# KiCad board shek-rounded.kicad_pcb (continued)
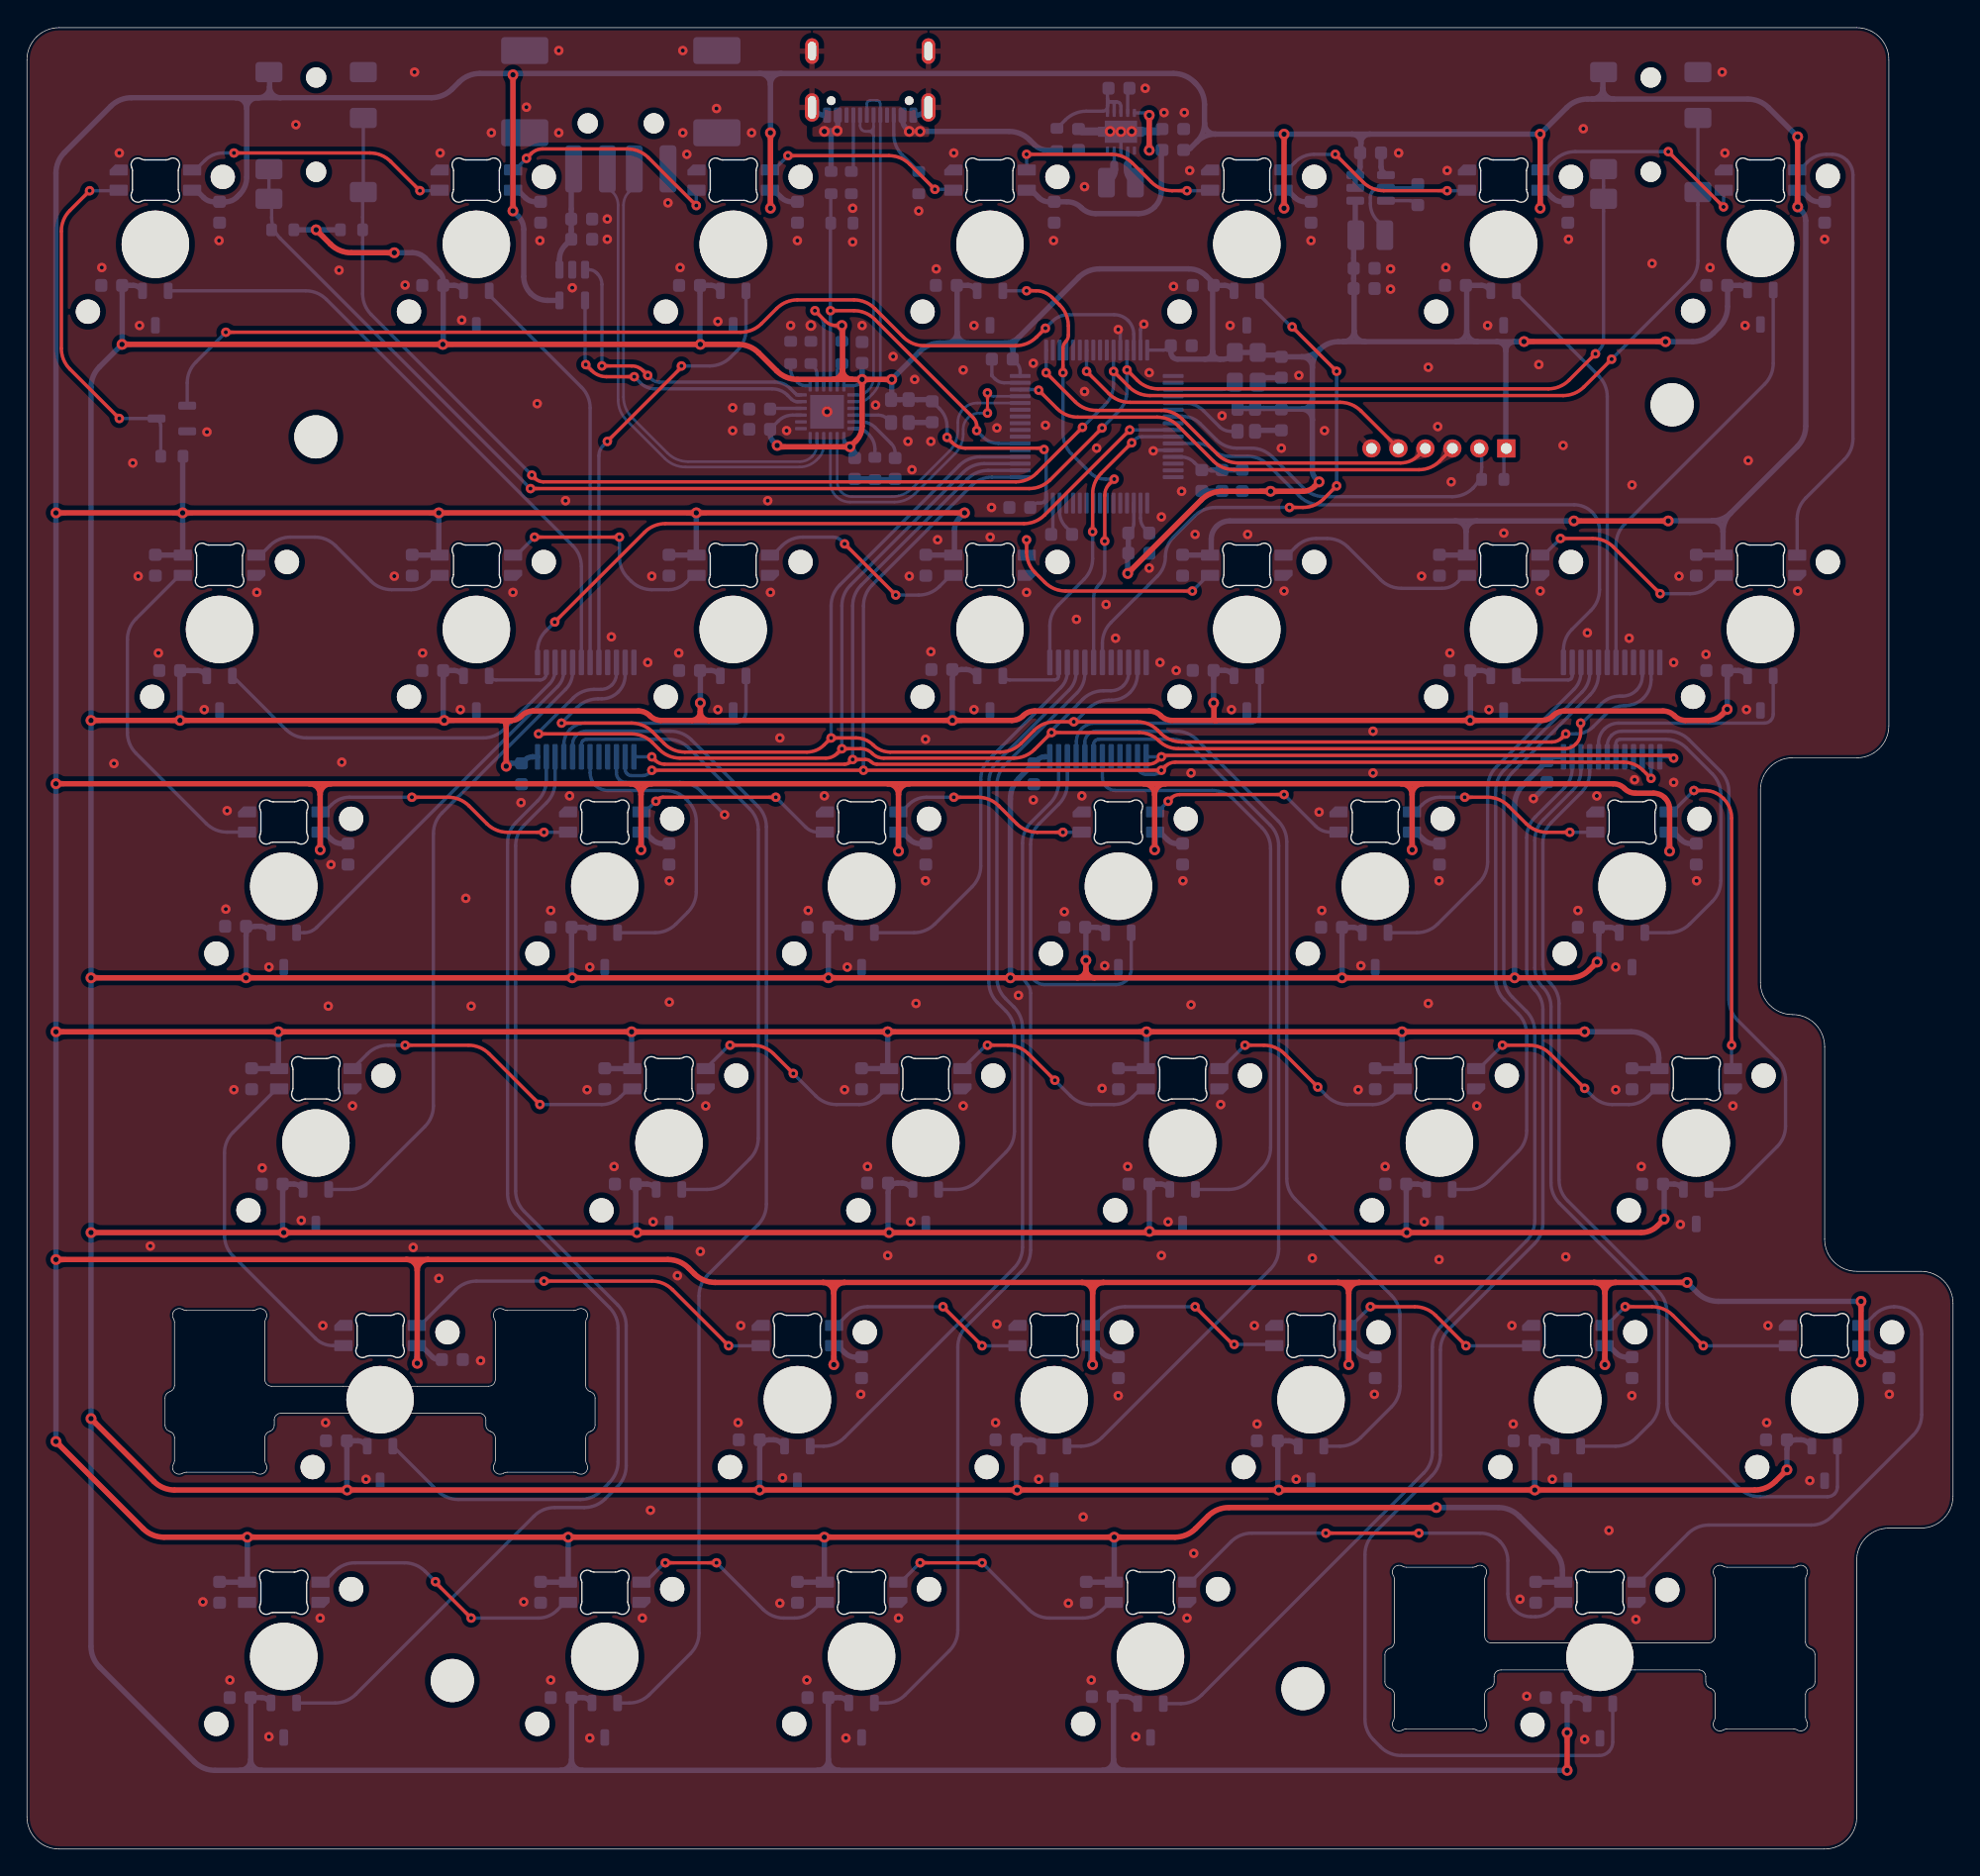
[diagram p0: board, top side]
## Routing (per net, layer and track width the routed paths; a pad name or vN(x,y) marks a point on that pad's centre or on a via; arc(x,y) is an arc through that point) (continued)
OSC32: length 4.8
  Bottom w0.25: U5.3 88.66,108.29 arc(89.02,108.36) 89.32,108.56 Y3.3
PH0: length 5.5
  Bottom w0.25: Y2.3 89.3,105.19 arc(88.84,105.28) 88.45,105.54 87.28,106.7 arc(86.64,107.14) 85.88,107.29 85.07,107.29 arc(85.05,107.28) 85.04,107.28 85.02,107.26
SCL: length 132.4
  Top w0.25: v1(37.35,100.94) 74.35,100.94 arc(75.18,101.1) 75.89,101.58 v1(79.75,105.44) ; v1(116.35,110.94) 114.39,108.98 arc(113.68,108.5) 112.85,108.34 83.9,108.34 arc(83.07,108.5) 82.36,108.98 v1(81.6,109.74)
  Bottom w0.25: v1(79.75,105.44) 80.96,106.65 arc(81.43,107.36) 81.6,108.19 v1(81.6,109.74) 81.6,111.17 arc(81.6,111.19) 81.61,111.2 81.62,111.21 ; v1(37.35,100.94) 18.79,119.5 arc(18.32,120.21) 18.15,121.04 18.15,122.1 arc(18.12,122.23) 18.05,122.34 arc(17.98,122.45) 17.95,122.58 J3.4 ; v1(116.35,110.94) 116.65,111.24 arc(116.87,111.57) 116.95,111.96 J5.4
SDA: length 139.9
  Top w0.25: v1(78.3,105.49) 74.89,102.08 arc(74.18,101.6) 73.35,101.44 38.3,101.44 arc(37.98,101.5) 37.7,101.69 v1(37.45,101.94) ; v1(117.55,110.54) 115.49,108.48 arc(114.78,108) 113.95,107.84 83.3,107.84 arc(82.47,108) 81.76,108.48 v1(80.6,109.64)
  Bottom w0.25: v1(117.55,110.54) 123.31,116.3 arc(123.78,117.01) 123.95,117.84 J5.3 ; 80.62,111.21 80.61,111.2 arc(80.6,111.19) 80.6,111.17 v1(80.6,109.64) 80.6,108.69 arc(80.43,107.86) 79.96,107.15 v1(78.3,105.49) ; v1(37.45,101.94) 25.54,113.85 arc(25.07,114.56) 24.9,115.39 24.9,122.85 arc(24.91,122.88) 24.93,122.91 arc(24.94,122.94) 24.95,122.97 J3.3
SWCLK: length 32.7
  Top w0.25: J4.4 103.19,103.38 arc(102.6,102.98) 101.89,102.84 89.85,102.84 arc(89.02,103) 88.31,103.48 85.69,106.1 arc(84.98,106.57) 84.15,106.74 79.3,106.74 arc(78.47,106.9) 77.76,107.38 v1(75.6,109.54)
  Bottom w0.25: 75.62,111.21 75.61,111.2 arc(75.6,111.19) 75.6,111.17 v1(75.6,109.54)
SWDIO: length 34.8
  Top w0.25: v1(75.05,108.24) 76.41,106.88 arc(77.12,106.4) 77.95,106.24 83.85,106.24 arc(84.68,106.07) 85.39,105.6 88.01,102.98 arc(88.72,102.5) 89.55,102.34 103.25,102.34 arc(104.09,102.5) 104.79,102.98 J4.3
  Bottom w0.25: v1(75.05,108.24) 75.02,108.26 arc(75,108.28) 74.96,108.29 73.72,108.29 arc(73.7,108.28) 73.69,108.28 73.68,108.26
SWO: length 26.9
  Top w0.25: J4.5 98.95,106.7 arc(98.25,107.17) 97.41,107.34 81.8,107.34 arc(80.97,107.5) 80.26,107.98 v1(78.6,109.64)
  Bottom w0.25: v1(78.6,109.64) 78.6,111.17 arc(78.6,111.19) 78.61,111.2 78.62,111.21
UP_D+: length 25.4
  Bottom w0.2: J1.A6 62.3,129.48 arc(62.32,129.58) 62.38,129.66 arc(62.46,129.72) 62.56,129.74 63.04,129.74 arc(63.14,129.72) 63.23,129.66 arc(63.28,129.58) 63.3,129.48 63.3,109.35 arc(63.15,108.6) 62.72,107.96 62.45,107.69 arc(62.12,107.47) 61.72,107.39 U1.20
UP_D-: length 24.6
  Bottom w0.2: 62.8,127.06 62.8,109.17 arc(62.7,108.68) 62.42,108.26 62.32,108.16 arc(62.02,107.96) 61.67,107.89 U1.19 ; 62.8,127.06 62.8,127.81 ; 62.8,127.06 arc(62.69,127.33) 62.43,127.44 ; 62.43,127.44 62.23,127.44 arc(62.06,127.47) 61.93,127.56 arc(61.83,127.7) 61.8,127.86 J1.B7 ; 62.43,127.44 arc(62.69,127.55) 62.8,127.81 ; 62.8,127.81 J1.A7
XTALIN: length 3
  Bottom w0.25: Y1.3 63.82,106.11 arc(63.52,106.32) 63.16,106.39 U1.22
Net-(J1-CC1_A): length 4.2
  Bottom w0.25: J1.A5 61.3,124.72 arc(61.28,124.62) 61.23,124.54 R3.1
Net-(J1-CC1_B): length 4.9
  Bottom w0.25: J1.B5 64.3,127.21 arc(64.47,126.38) 64.94,125.67 R4.1
Net-(LED1-DOUT): length 19.9
  Top w0.25: v1(15.35,125.84) 25.45,125.84 arc(26.28,125.67) 26.99,125.2 v1(29.15,123.04)
  Bottom w0.25: v1(15.35,125.84) 14.55,125.84 arc(13.81,125.69) 13.18,125.27 12.57,124.66 arc(12.48,124.6) 12.37,124.58 LED6.2 ; LED5.3 30.59,123.06 arc(30.57,123.04) 30.55,123.04 v1(29.15,123.04)
Net-(LED2-DOUT): length 17
  Top w0.25: v1(49.65,121.94) 46.09,125.5 arc(45.38,125.97) 44.55,126.14 38.24,126.14 arc(37.79,126.05) 37.4,125.79 v1(37.05,125.44)
  Bottom w0.25: v1(49.65,121.94) 49.65,123.05 arc(49.65,123.06) 49.66,123.07 LED4.3 ; LED5.2 36.12,124.58 arc(36.18,124.59) 36.23,124.62 v1(37.05,125.44)
Net-(LED3-DOUT): length 15
  Top w0.25: v1(67.35,123.14) 65.49,125 arc(64.78,125.47) 63.95,125.64 v1(56.45,125.64)
  Bottom w0.25: v1(67.35,123.14) 68.61,123.14 arc(68.65,123.13) 68.68,123.11 LED3.3 ; LED4.2 55.25,124.58 arc(55.38,124.6) 55.48,124.67 v1(56.45,125.64)
Net-(LED4-DOUT): length 15.7
  Top w0.25: v1(74.15,125.74) 80.45,125.74 arc(81.28,125.57) 81.99,125.1 83.41,123.68 arc(84.12,123.2) 84.95,123.04 v1(86.05,123.04)
  Bottom w0.25: v1(74.15,125.74) 74.16,125.73 arc(74.16,125.72) 74.16,125.72 LED3.2 ; v1(86.05,123.04) 87.7,123.04 arc(87.72,123.04) 87.74,123.06 LED2.3
Net-(LED5-DOUT): length 15
  Top w0.25: v1(97.05,125.74) 99.11,123.68 arc(99.82,123.2) 100.65,123.04 v1(105.35,123.04)
  Bottom w0.25: v1(105.35,123.04) 106.75,123.04 arc(106.77,123.04) 106.79,123.06 LED1.3 ; v1(97.05,125.74) 95.47,125.74 arc(94.71,125.59) 94.07,125.16 93.58,124.67 arc(93.48,124.6) 93.35,124.58 LED2.2
Net-(LED6-DOUT): length 17
  Top w0.25: v1(121.75,125.94) v1(125.85,121.84)
  Bottom w0.25: v1(125.85,121.84) 125.85,123.05 arc(125.85,123.06) 125.86,123.07 LED0.3 ; LED1.2 112.43,124.58 arc(112.58,124.6) 112.7,124.69 113.31,125.3 arc(114.02,125.77) 114.85,125.94 v1(121.75,125.94)
Net-(LED7-DOUT): length 35.1
  Bottom w0.25: LED0.2 131.4,124.58 arc(131.48,124.59) 131.55,124.64 132.07,125.16 arc(132.71,125.59) 133.47,125.74 133.91,125.74 arc(134.5,125.62) 135,125.29 arc(135.33,124.79) 135.45,124.2 135.45,104.64 arc(135.28,103.81) 134.81,103.1 131.95,100.24 arc(131.48,99.53) 131.31,98.7 LED7.3
Net-(LED8-DOUT): length 16.2
  Top w0.25: v1(113.75,97.24) 116.15,97.24 arc(116.98,97.07) 117.69,96.6 v1(121.15,93.14)
  Bottom w0.25: LED8.3 112.39,96 arc(112.5,96.02) 112.6,96.09 v1(113.75,97.24) ; v1(121.15,93.14) 123.35,93.14 arc(124.18,93.3) 124.89,93.78 125.52,94.41 arc(125.62,94.48) 125.74,94.5 LED7.2
Net-(LED10-DIN): length 15.7
  Bottom w0.25: LED8.2 106.71,94.5 arc(106.62,94.48) 106.54,94.43 106.13,94.02 arc(105.6,93.66) 104.97,93.54 101.95,93.54 arc(101.12,93.7) 100.41,94.18 97.99,96.6 arc(97.28,97.07) 96.45,97.24 95.63,97.24 arc(94.82,97.08) 94.13,96.62 93.62,96.11 arc(93.5,96.03) 93.36,96 LED9.3
Net-(LED10-DOUT): length 17.7
  Top w0.25: v1(74.15,97.14) 74.15,96.24 arc(74.32,95.41) 74.79,94.7 75.51,93.98 arc(76.22,93.5) 77.05,93.34 v1(86.45,93.34)
  Bottom w0.25: LED9.2 87.69,94.5 arc(87.62,94.49) 87.56,94.45 v1(86.45,93.34) ; v1(74.15,97.14) 74.15,96.02 arc(74.15,96.01) 74.16,96.01 LED10.3
Net-(LED11-DOUT): length 16.3
  Top w0.25: v1(64.45,93.04) v1(60.65,96.84)
  Bottom w0.25: v1(60.65,96.84) 60.4,97.09 arc(60.12,97.27) 59.8,97.34 57.55,97.34 arc(56.72,97.17) 56.01,96.7 55.38,96.07 arc(55.3,96.02) 55.21,96 LED11.3 ; LED10.2 68.61,94.5 arc(68.52,94.48) 68.44,94.43 67.69,93.68 arc(66.98,93.2) 66.15,93.04 v1(64.45,93.04)
Net-(LED12-DOUT): length 17.3
  Top w0.25: v1(37.65,97.34) v1(43.95,97.34)
  Bottom w0.25: LED11.2 49.54,94.5 arc(49.42,94.48) 49.32,94.41 48.88,93.97 arc(48.29,93.58) 47.6,93.44 46.35,93.44 arc(45.52,93.6) 44.81,94.08 44.59,94.3 arc(44.12,95.01) 43.95,95.84 v1(43.95,97.34) ; v1(37.65,97.34) 36.4,96.09 arc(36.3,96.02) 36.19,96 LED12.3
Net-(LED13-DOUT): length 15.8
  Bottom w0.25: LED13.3 17.16,96 arc(17.3,96.03) 17.42,96.11 18.01,96.7 arc(18.72,97.17) 19.55,97.34 21.35,97.34 arc(22.18,97.17) 22.89,96.7 25.51,94.08 arc(26.22,93.6) 27.05,93.44 28.5,93.44 arc(29.19,93.58) 29.78,93.97 30.21,94.39 arc(30.32,94.47) 30.46,94.5 LED12.2
Net-(LED14-DOUT): length 25.7
  Bottom w0.25: LED13.2 11.44,94.5 arc(11.32,94.48) 11.22,94.41 8.09,91.28 arc(7.62,90.57) 7.45,89.74 7.45,82.84 arc(7.62,82.01) 8.09,81.3 13.3,76.09 arc(14.01,75.62) 14.84,75.45 LED19.3
Net-(LED15-DOUT): length 19.6
  Top w0.25: v1(38.35,75.44) 35.65,75.44 arc(34.82,75.6) 34.11,76.08 32.79,77.4 arc(32.08,77.87) 31.25,78.04 v1(28.55,78.04)
  Bottom w0.25: 21.77,76.95 21.92,76.95 arc(22.05,76.98) 22.16,77.05 22.61,77.49 arc(23.21,77.9) 23.92,78.04 v1(28.55,78.04) ; LED18.3 40.13,75.44 arc(40.12,75.44) 40.12,75.44 v1(38.35,75.44)
Net-(LED16-DOUT): length 15
  Top w0.25: v1(55.55,78.04) 47.16,78.04 arc(46.97,78) 46.8,77.89 v1(46.65,77.74)
  Bottom w0.25: LED18.2 45.73,76.95 arc(45.85,76.98) 45.96,77.05 v1(46.65,77.74) ; LED17.3 58.66,75.45 arc(58.18,75.55) 57.77,75.82 v1(55.55,78.04)
Net-(LED17-DOUT): length 14.9
  Top w0.25: v1(68.75,78.04) 70.55,78.04 arc(71.38,77.87) 72.09,77.4 73.41,76.08 arc(74.12,75.6) 74.95,75.44 v1(76.85,75.44)
  Bottom w0.25: LED16.3 78.23,75.44 arc(78.22,75.44) 78.22,75.44 v1(76.85,75.44) ; v1(68.75,78.04) 66.72,78.04 arc(66.01,77.9) 65.41,77.49 64.94,77.03 arc(64.85,76.97) 64.75,76.95 LED17.2
Net-(LED18-DOUT): length 15.2
  Top w0.25: v1(93.25,78.24) 85.5,78.24 arc(85.18,78.17) 84.9,77.99 v1(84.65,77.74)
  Bottom w0.25: v1(93.25,78.24) 95.6,75.89 arc(96.09,75.56) 96.66,75.45 LED15.3 ; v1(84.65,77.74) 83.92,77.01 arc(83.86,76.97) 83.77,76.95 LED16.2
Net-(LED19-DOUT): length 14.9
  Top w0.25: v1(114.45,75.44) 112.75,75.44 arc(111.92,75.6) 111.21,76.08 109.89,77.4 arc(109.18,77.87) 108.35,78.04 v1(106.65,78.04)
  Bottom w0.25: LED14.3 116.33,75.44 arc(116.32,75.44) 116.32,75.44 v1(114.45,75.44) ; v1(106.65,78.04) 104.82,78.04 arc(104.11,77.9) 103.51,77.49 103.04,77.03 arc(102.95,76.97) 102.85,76.95 LED15.2
Net-(LED20-DOUT): length 25.1
  Top w0.25: v1(126.45,59.64) 126.45,76.49 arc(126.29,77.27) 125.85,77.94 125.82,77.97 arc(125.19,78.39) 124.45,78.54 v1(123.65,78.54)
  Bottom w0.25: LED14.2 121.93,76.95 arc(122.05,76.98) 122.16,77.05 v1(123.65,78.54) ; v1(126.45,59.64) 126.45,58.07 arc(126.46,58.01) 126.5,57.95 LED20.3
Net-(LED21-DOUT): length 16.3
  Top w0.25: v1(115.55,56.44) 112.99,59 arc(112.28,59.47) 111.45,59.64 v1(109.45,59.64)
  Bottom w0.25: LED21.3 107.61,57.9 arc(107.7,57.92) 107.79,57.98 v1(109.45,59.64) ; LED20.2 120.96,56.4 arc(120.82,56.37) 120.71,56.3 120.23,55.82 arc(119.59,55.39) 118.83,55.24 117.6,55.24 arc(116.81,55.39) 116.15,55.84 v1(115.55,56.44)
Net-(LED22-DOUT): length 16.3
  Top w0.25: v1(90.35,59.64) 91.75,59.64 arc(92.58,59.47) 93.29,59 v1(95.75,56.54)
  Bottom w0.25: v1(90.35,59.64) 88.67,57.96 arc(88.61,57.91) 88.53,57.9 LED22.3 ; LED21.2 101.93,56.4 arc(101.82,56.38) 101.73,56.32 101.23,55.82 arc(100.59,55.39) 99.83,55.24 97.95,55.24 arc(97.12,55.4) 96.41,55.88 v1(95.75,56.54)
Net-(LED23-DOUT): length 16.3
  Top w0.25: v1(76.25,57.04) 74.29,59 arc(73.58,59.47) 72.75,59.64 v1(71.25,59.64)
  Bottom w0.25: LED22.2 82.81,56.4 arc(82.63,56.36) 82.48,56.26 82.03,55.82 arc(81.39,55.39) 80.63,55.24 78.95,55.24 arc(78.12,55.4) 77.41,55.88 v1(76.25,57.04) ; v1(71.25,59.64) 71.19,59.64 arc(71.14,59.63) 71.1,59.6 LED23.3
Net-(LED24-DOUT): length 16.3
  Top w0.25: v1(52.15,59.64) 53.85,59.64 arc(54.68,59.47) 55.39,59 v1(56.85,57.54)
  Bottom w0.25: LED24.3 52.07,59.62 arc(52.09,59.63) 52.12,59.64 v1(52.15,59.64) ; LED23.2 63.83,56.4 arc(63.72,56.38) 63.63,56.32 63.13,55.82 arc(62.49,55.39) 61.73,55.24 60.05,55.24 arc(59.22,55.4) 58.51,55.88 v1(56.85,57.54)
Net-(LED25-DOUT): length 23.5
  Top w0.25: v1(38.05,55.24) 34.29,59 arc(33.58,59.47) 32.75,59.64 v1(28.05,59.64)
  Bottom w0.25: v1(28.05,59.64) 26.8,59.64 arc(25.96,59.47) 25.26,59 LED25.3 ; v1(38.05,55.24) 42.63,55.24 arc(43.39,55.39) 44.03,55.82 44.51,56.3 arc(44.62,56.37) 44.76,56.4 LED24.2
Net-(LED26-DOUT): length 25.1
  Bottom w0.25: LED31.3 22.7,37.35 arc(22,37.49) 21.4,37.89 15.29,44 arc(14.82,44.71) 14.65,45.54 14.65,51.64 arc(14.82,52.47) 15.29,53.18 18.44,56.33 arc(18.52,56.38) 18.61,56.4 LED25.2
Net-(LED27-DOUT): length 28.7
  Top w0.25: v1(38.35,42.14) 46.35,42.14 arc(47.18,41.97) 47.89,41.5 v1(52.05,37.34)
  Bottom w0.25: v1(52.05,37.34) 54.4,37.34 arc(54.41,37.34) 54.42,37.34 54.43,37.35 ; LED31.2 29.04,38.85 arc(29.15,38.87) 29.25,38.94 31.81,41.5 arc(32.52,41.97) 33.35,42.14 v1(38.35,42.14)
Net-(LED28-DOUT): length 15.3
  Top w0.25: v1(67.95,40.24) v1(70.85,37.34)
  Bottom w0.25: v1(67.95,40.24) 62.35,40.24 arc(61.52,40.07) 60.81,39.6 60.13,38.92 arc(60.06,38.87) 59.97,38.85 LED30.2 ; LED29.3 73.47,37.34 arc(73.46,37.34) 73.45,37.34 v1(70.85,37.34)
Net-(LED29-DOUT): length 15.3
  Top w0.25: v1(86.65,40.24) 89.41,37.47 arc(89.45,37.45) 89.5,37.44 v1(89.55,37.44)
  Bottom w0.25: LED29.2 79.04,38.85 arc(79.15,38.87) 79.25,38.93 79.91,39.6 arc(80.62,40.07) 81.45,40.24 v1(86.65,40.24) ; LED28.3 92.48,37.39 arc(92.43,37.43) 92.38,37.44 v1(89.55,37.44)
Net-(LED30-DOUT): length 15.3
  Top w0.25: v1(99.65,40.24) 102.95,40.24 arc(103.78,40.07) 104.49,39.6 v1(106.75,37.34)
  Bottom w0.25: LED28.2 98.12,38.85 arc(98.25,38.88) 98.36,38.95 v1(99.65,40.24) ; LED27.3 111.57,37.34 arc(111.56,37.34) 111.55,37.34 v1(106.75,37.34)
Net-(LED31-DOUT): length 15.3
  Top w0.25: v1(118.55,40.24) 120.55,40.24 arc(121.38,40.07) 122.09,39.6 v1(124.35,37.34)
  Bottom w0.25: LED27.2 117.09,38.85 arc(117.16,38.86) 117.21,38.9 v1(118.55,40.24) ; LED26.3 130.62,37.34 arc(130.61,37.34) 130.6,37.34 v1(124.35,37.34)
Net-(LED32-DOUT): length 38.6
  Bottom w0.25: LED32.3 119.51,19.8 arc(119.6,19.82) 119.69,19.87 123.21,23.4 arc(123.92,23.87) 124.75,24.04 132.35,24.04 arc(133.18,24.2) 133.89,24.68 139.91,30.7 arc(140.38,31.41) 140.55,32.24 140.55,38.19 arc(140.39,38.97) 139.95,39.64 arc(139.29,40.08) 138.5,40.24 138.5,40.24 arc(137.71,40.08) 137.05,39.64 136.33,38.92 arc(136.26,38.87) 136.17,38.85 136.07,38.85
Net-(LED33-DOUT): length 34.2
  Top w0.25: v1(96.35,23.44) v1(103.25,23.44)
  Bottom w0.25: LED33.3 86.19,19.8 arc(86.3,19.82) 86.4,19.89 89.31,22.8 arc(90.02,23.27) 90.85,23.44 v1(96.35,23.44) ; LED32.2 113.83,18.3 arc(113.72,18.28) 113.63,18.21 113.18,17.77 arc(112.59,17.38) 111.9,17.24 111.56,17.24 arc(110.9,17.37) 110.35,17.74 arc(109.98,18.29) 109.85,18.94 109.85,21.39 arc(109.69,22.17) 109.25,22.84 arc(108.59,23.28) 107.8,23.44 v1(103.25,23.44)
Net-(LED34-DOUT): length 18.6
  Top w0.25: v1(66.25,21.24) v1(70.85,21.24)
  Bottom w0.25: LED33.2 80.47,18.3 arc(80.32,18.27) 80.2,18.19 79.73,17.72 arc(79.09,17.29) 78.33,17.14 75.85,17.14 arc(75.02,17.3) 74.31,17.78 v1(70.85,21.24) ; v1(66.25,21.24) 66.21,21.28 arc(66.19,21.28) 66.18,21.26 66.18,21.24 arc(66.16,21.17) 66.12,21.11 64.87,19.86 arc(64.81,19.82) 64.73,19.8 LED34.3
Net-(LED35-DOUT): length 16.2
  Top w0.25: v1(47.35,21.24) v1(51.15,21.24)
  Bottom w0.25: v1(51.15,21.24) 54.61,17.78 arc(55.32,17.3) 56.15,17.14 56.93,17.14 arc(57.69,17.29) 58.33,17.72 58.82,18.2 arc(58.92,18.27) 59.05,18.3 LED34.2 ; v1(47.35,21.24) 47.22,21.11 arc(47.2,21.09) 47.18,21.09 arc(47.15,21.08) 47.13,21.07 45.96,19.9 arc(45.85,19.83) 45.73,19.8 LED35.3
Net-(LED36-DOUT): length 20.9
  Top w0.25: v1(30.3,19.84) 30.3,19.81 arc(30.3,19.79) 30.32,19.77 v1(32.95,17.14)
  Bottom w0.25: v1(32.95,17.14) 37.93,17.14 arc(38.69,17.29) 39.33,17.72 39.83,18.22 arc(39.92,18.28) 40.02,18.3 LED35.2 ; v1(30.3,19.84) 29.54,20.6 arc(28.83,21.07) 28,21.24 24.35,21.24 arc(23.52,21.07) 22.81,20.6 22.1,19.88 arc(22,19.82) 21.89,19.8 21.77,19.8
Net-(Q1-G): length 78.7
  Top w0.25: v1(14.75,112.54) 52.95,112.54 arc(53.78,112.7) 54.49,113.18 55.61,114.3 arc(56.32,114.77) 57.15,114.94 61.35,114.94 arc(62.18,114.77) 62.89,114.3 65.01,112.18 arc(65.72,111.7) 66.55,111.54 73.35,111.54 arc(74.18,111.7) 74.89,112.18 v1(75.55,112.84)
  Bottom w0.25: U5.62 82.1,112.39 arc(81.99,112.94) 81.68,113.41 arc(81.2,113.73) 80.65,113.84 77.26,113.84 arc(76.6,113.71) 76.05,113.34 v1(75.55,112.84) ; Q1.1 11.89,108.77 arc(12.05,109.61) 12.53,110.31 v1(14.75,112.54)
Net-(U1-CRFILT): length 2.3
  Bottom w0.25: C6.1 55.15,106.86 arc(55.18,106.88) 55.21,106.89 U1.10
Net-(U1-PLLFILT): length 4.6
  Bottom w0.25: C3.1 64.4,103.6 arc(64.33,103.96) 64.12,104.27 62.93,105.46 arc(62.45,105.78) 61.89,105.89 U1.23
Net-(U1-RBIAS): length 3.1
  Bottom w0.25: U1.24 61.64,105.39 arc(61.97,105.32) 62.25,105.14 62.46,104.92 arc(62.79,104.44) 62.9,103.87 R5.1
Net-(U1-SMBCLK*CFG_SEL0): length 1.8
  Bottom w0.25: R7.1 58.38,109.99 arc(58.54,109.74) 58.6,109.44 U1.14
Net-(U1-SMBDATA*NON_REM1): length 2.6
  Bottom w0.25: U1.13 57.76,108.58 arc(57.44,108.64) 57.17,108.82 56.96,109.03 arc(56.73,109.37) 56.65,109.78 R8.1
Net-(U1-SUSP_IND*LOCAL_PWR*(NON_REM0)): length 1.8
  Bottom w0.25: R6.2 60.27,110.04 arc(60.15,109.84) 60.1,109.62 U1.17
Net-(U3-EN): length 9.7
  Bottom w0.25: 80.15,129.39 80.15,129.89 ; 80.15,129.39 80.15,128.81 ; 80.15,129.39 80.15,129.29 arc(80.05,129.04) 79.8,128.94 78.58,128.94 arc(77.75,128.77) 77.04,128.3 R9.1 ; 80.15,129.39 arc(80.22,129.56) 80.4,129.64 ; 80.15,129.89 80.15,130.5 arc(80.16,130.56) 80.19,130.6 C12.1 ; 80.15,129.89 arc(80.22,129.71) 80.4,129.64 ; 80.65,129.49 80.65,128.81 ; 80.65,129.49 arc(80.69,129.59) 80.8,129.64 ; 80.65,129.49 arc(80.61,129.59) 80.5,129.64 ; 81.15,128.81 81.15,129.3 arc(81.12,129.43) 81.05,129.54 arc(80.94,129.61) 80.81,129.64 80.8,129.64 ; 80.5,129.64 80.8,129.64 ; 80.5,129.64 80.4,129.64
Net-(U3-L1): length 2.6
  Bottom w0.25: U3.4 80.65,125
  Bottom w0.6: L1.2 80.36,123.93 arc(80.58,124.24) 80.65,124.62 80.65,125
Net-(U3-L2): length 2.6
  Bottom w0.25: U3.2 81.65,125
  Bottom w0.6: 81.65,125 81.65,124.62 arc(81.72,124.24) 81.94,123.93 82.23,123.64
Net-(U4-BST): length 2.5
  Bottom w0.25: U4.6 102.62,122.3 arc(102.83,122.26) 103.01,122.14 C13.2
Net-(U4-SW): length 7.2
  Bottom w0.25: C13.1 103.03,123.39 arc(102.88,123.28) 102.7,123.25 100.35,123.25 arc(100.08,123.19) 99.86,123.04 arc(99.7,122.82) 99.65,122.55 99.65,122.09 arc(99.79,121.39) 100.18,120.81 100.54,120.45 arc(100.68,120.24) 100.73,120 100.73,119.74
Net-(U5-VCAP_1): length 2.7
  Bottom w0.25: U5.30 76.6,99.21 arc(76.72,98.61) 77.06,98.1 77.62,97.54

## Copper pours and planes (outline as drawn; the poured copper is in the pictures)
3V3 on Top: 61.57,104.9 61.51,104.81 61.45,104.73 61.4,104.66 61.34,104.61 61.28,104.57 61.22,104.53 61.16,104.5 61.09,104.47 60.92,104.42 60.91,103.9 61.43,103.91 61.47,104 61.5,104.09 61.54,104.16 61.59,104.22 61.63,104.29 61.73,104.42 61.79,104.5 61.85,104.59 61.92,104.7
3V3 on Top: 120.74,45.82 120.86,45.89 120.96,45.96 121.04,46.03 121.18,46.14 121.25,46.19 121.31,46.23 121.39,46.28 121.48,46.32 121.58,46.36 121.59,46.88 121.07,46.87 121.04,46.77 121.01,46.69 120.98,46.61 120.94,46.54 120.9,46.48 120.85,46.41 120.79,46.35 120.72,46.29 120.64,46.23 120.53,46.16
3V3 on Bottom: 75.44,100.14 75.35,100.02 75.27,99.95 75.18,99.91 75.08,99.9 74.98,99.91 74.87,99.93 74.75,99.96 74.63,99.98 74.5,99.99 74.37,99.98 74.24,99.41 74.82,99.32 74.89,99.42 74.97,99.5 75.05,99.56 75.13,99.6 75.22,99.64 75.31,99.68 75.4,99.73 75.49,99.8 75.57,99.89 75.65,100.02
3V3 on Bottom: 70.35,116.03 70.21,116.11 70.09,116.17 69.98,116.2 69.87,116.22 69.77,116.22 69.67,116.23 69.57,116.23 69.46,116.26 69.36,116.3 69.25,116.37 68.75,116.01 69.17,115.61 69.27,115.66 69.45,115.76 69.54,115.8 69.63,115.83 69.71,115.85 69.8,115.85 69.89,115.83 69.99,115.78 70.1,115.71
3V3 on Bottom: 90.8,111.24 90.67,111.24 90.55,111.26 90.45,111.28 90.37,111.3 90.29,111.34 90.21,111.38 90.06,111.47 89.97,111.52 89.86,111.58 89.3,111.04 89.86,110.5 89.97,110.55 90.06,110.6 90.21,110.7 90.29,110.74 90.37,110.77 90.45,110.8 90.55,110.82 90.67,110.83 90.8,110.84
3V3 on Bottom: 51.3,87.45 51.16,87.54 51.04,87.6 50.93,87.63 50.82,87.64 50.72,87.65 50.62,87.65 50.52,87.66 50.41,87.68 50.31,87.72 50.2,87.79 49.7,87.44 50.12,87.03 50.22,87.08 50.4,87.18 50.49,87.22 50.58,87.25 50.66,87.27 50.75,87.27 50.84,87.25 50.94,87.21 51.05,87.14
3V3 on Bottom: 98.62,118.5 98.62,118.63 98.64,118.74 98.66,118.83 98.69,118.91 98.74,118.98 98.78,119.04 98.84,119.11 98.98,119.25 99.05,119.33 98.65,120.04 97.96,119.62 97.99,119.48 98.02,119.37 98.06,119.27 98.12,119.09 98.15,119 98.18,118.9 98.2,118.79 98.21,118.66 98.21,118.5
3V3 on Bottom: 79.87,68.4 79.74,68.49 79.62,68.55 79.5,68.58 79.4,68.59 79.29,68.6 79.19,68.6 79.09,68.61 78.99,68.63 78.88,68.67 78.78,68.74 78.27,68.39 78.7,67.98 78.8,68.03 78.98,68.13 79.07,68.17 79.15,68.2 79.24,68.22 79.33,68.22 79.42,68.2 79.52,68.16 79.63,68.09
3V3 on Bottom: 88.56,110.34 88.7,110.34 88.82,110.35 88.93,110.36 89.02,110.37 89.19,110.4 89.28,110.42 89.37,110.43 89.48,110.43 89.6,110.44 89.84,111.22 89.07,111.32 89.03,111.23 88.99,111.14 88.96,111.06 88.93,110.99 88.9,110.92 88.86,110.86 88.81,110.81 88.74,110.77 88.66,110.75 88.56,110.74
3V3 on Bottom: 109.69,102.58 109.69,102.73 109.71,102.85 109.75,102.94 109.8,103.03 109.85,103.1 109.92,103.16 110.07,103.3 110.16,103.38 110.25,103.48 109.82,104.24 109.07,103.79 109.11,103.64 109.15,103.52 109.2,103.41 109.25,103.31 109.29,103.22 109.34,103.12 109.38,103.02 109.41,102.9 109.43,102.76 109.44,102.58
3V3 on Bottom: 89.4,116.03 89.26,116.11 89.14,116.17 89.03,116.2 88.92,116.22 88.82,116.22 88.72,116.23 88.62,116.23 88.51,116.26 88.41,116.3 88.3,116.37 87.8,116.01 88.22,115.61 88.32,115.66 88.5,115.76 88.59,115.8 88.68,115.83 88.76,115.85 88.85,115.85 88.94,115.83 89.04,115.78 89.15,115.71
3V3 on Bottom: 87.03,116.8 87.15,116.73 87.25,116.66 87.33,116.59 87.4,116.52 87.45,116.44 87.49,116.36 87.52,116.28 87.55,116.19 87.56,116.08 87.58,115.97 88.14,115.82 88.26,116.4 88.13,116.48 88.03,116.55 87.94,116.62 87.86,116.68 87.7,116.82 87.61,116.89 87.51,116.97 87.38,117.05 87.24,117.15
3V3 on Bottom: 68.08,106.57 67.88,106.91 67.83,107 67.78,107.08 67.74,107.15 67.7,107.24 67.66,107.33 67.62,107.44 67.58,107.56 66.99,107.57 67,106.99 67.12,106.95 67.32,106.89 67.41,106.86 67.49,106.83 67.57,106.78 67.64,106.73 67.72,106.66 67.79,106.56 67.87,106.44
3V3 on Bottom: 32.25,116.03 32.11,116.11 31.99,116.17 31.88,116.2 31.77,116.22 31.67,116.22 31.57,116.23 31.47,116.23 31.36,116.26 31.26,116.3 31.15,116.37 30.65,116.01 31.07,115.61 31.17,115.66 31.35,115.76 31.44,115.8 31.53,115.83 31.61,115.85 31.7,115.85 31.79,115.83 31.89,115.78 32,115.71
3V3 on Bottom: 56.04,106.33 55.89,106.25 55.77,106.18 55.67,106.11 55.49,106 55.41,105.95 55.32,105.91 55.22,105.86 55.11,105.81 54.98,105.76 54.97,105.18 55.55,105.19 55.59,105.32 55.66,105.54 55.69,105.63 55.73,105.72 55.78,105.8 55.84,105.88 55.92,105.95 56.03,106.03 56.16,106.11
3V3 on Bottom: 17.96,11.25 17.83,11.34 17.71,11.4 17.59,11.43 17.48,11.44 17.38,11.45 17.28,11.45 17.18,11.46 17.08,11.48 16.97,11.52 16.86,11.59 16.36,11.24 16.78,10.83 16.88,10.88 17.07,10.98 17.15,11.02 17.24,11.05 17.33,11.07 17.41,11.07 17.51,11.05 17.61,11.01 17.71,10.94
3V3 on Bottom: 122.73,49.35 122.6,49.44 122.48,49.5 122.37,49.53 122.26,49.54 122.15,49.55 122.05,49.55 121.95,49.56 121.85,49.58 121.75,49.62 121.64,49.69 121.14,49.34 121.56,48.93 121.66,48.98 121.84,49.08 121.93,49.12 122.01,49.15 122.1,49.17 122.19,49.17 122.28,49.15 122.38,49.11 122.49,49.04
3V3 on Bottom: 90.1,110.84 90.24,110.83 90.35,110.82 90.45,110.8 90.54,110.77 90.61,110.74 90.69,110.7 90.84,110.6 90.93,110.55 91.04,110.5 91.6,111.04 91.04,111.58 90.93,111.52 90.84,111.47 90.69,111.38 90.61,111.34 90.54,111.3 90.45,111.28 90.35,111.26 90.24,111.24 90.1,111.24
3V3 on Bottom: 109.5,105.27 109.49,105.11 109.48,104.98 109.45,104.87 109.42,104.77 109.38,104.68 109.33,104.6 109.23,104.41 109.17,104.31 109.11,104.18 109.75,103.58 110.33,104.24 110.26,104.36 110.19,104.46 110.08,104.63 110.03,104.71 109.98,104.79 109.95,104.88 109.92,104.99 109.91,105.12 109.9,105.27
3V3 on Bottom: 98.33,121 98.33,120.85 98.31,120.72 98.29,120.62 98.26,120.52 98.23,120.44 98.19,120.36 98.1,120.19 98.05,120.09 98,119.97 98.6,119.43 99.12,120.05 99.05,120.15 98.99,120.24 98.94,120.32 98.89,120.4 98.84,120.47 98.81,120.55 98.77,120.64 98.75,120.74 98.74,120.85 98.73,121
3V3 on Bottom: 115.48,11.28 115.35,11.35 115.23,11.4 115.13,11.44 115.03,11.46 114.94,11.47 114.85,11.48 114.76,11.49 114.67,11.52 114.57,11.56 114.46,11.62 113.99,11.24 114.41,10.83 114.51,10.88 114.67,10.97 114.74,11 114.82,11.03 114.9,11.05 114.98,11.05 115.06,11.04 115.16,11 115.26,10.94
3V3 on Bottom: 92.47,111.04 92.35,111.04 92.25,111.06 92.17,111.08 92.1,111.11 92.03,111.15 91.98,111.2 91.92,111.26 91.8,111.39 91.73,111.46 91.02,111.14 91.37,110.44 91.5,110.46 91.61,110.48 91.71,110.51 91.89,110.56 91.98,110.58 92.08,110.61 92.19,110.62 92.32,110.63 92.47,110.64
5V on Bottom: 117.1,130.64 117.1,130.73 117.12,130.82 117.14,130.89 117.16,130.96 117.19,131.02 117.23,131.07 117.27,131.12 117.31,131.16 117.35,131.2 117.39,131.23 116.97,132.21 116.43,131.3 116.47,131.26 116.51,131.21 116.55,131.17 116.58,131.11 116.62,131.05 116.64,130.99 116.67,130.91 116.68,130.83 116.7,130.74 116.7,130.64
5V on Bottom: 120.81,59.05 120.84,58.92 120.86,58.79 120.86,58.69 120.86,58.59 120.85,58.5 120.84,58.42 120.81,58.33 120.79,58.24 120.71,58.03 121.12,57.7 121.44,58.12 121.39,58.22 121.34,58.32 121.31,58.4 121.29,58.49 121.28,58.57 121.26,58.77 121.25,58.88 121.23,59 121.2,59.15
5V on Bottom: 86.26,126.5 86.26,125.5 81.96,125.55 81.96,126.5
5V on Bottom: 18.2,130.74 18.2,130.82 18.21,130.89 18.23,130.96 18.25,131.01 18.27,131.07 18.3,131.12 18.33,131.16 18.35,131.19 18.38,131.22 18.41,131.24 17.93,132.21 17.57,131.19 17.6,131.17 17.63,131.15 17.66,131.12 17.69,131.08 17.72,131.04 17.75,130.99 17.77,130.94 17.78,130.88 17.8,130.81 17.8,130.74
